# KiCad board Eclipse65.kicad_pcb (continued)
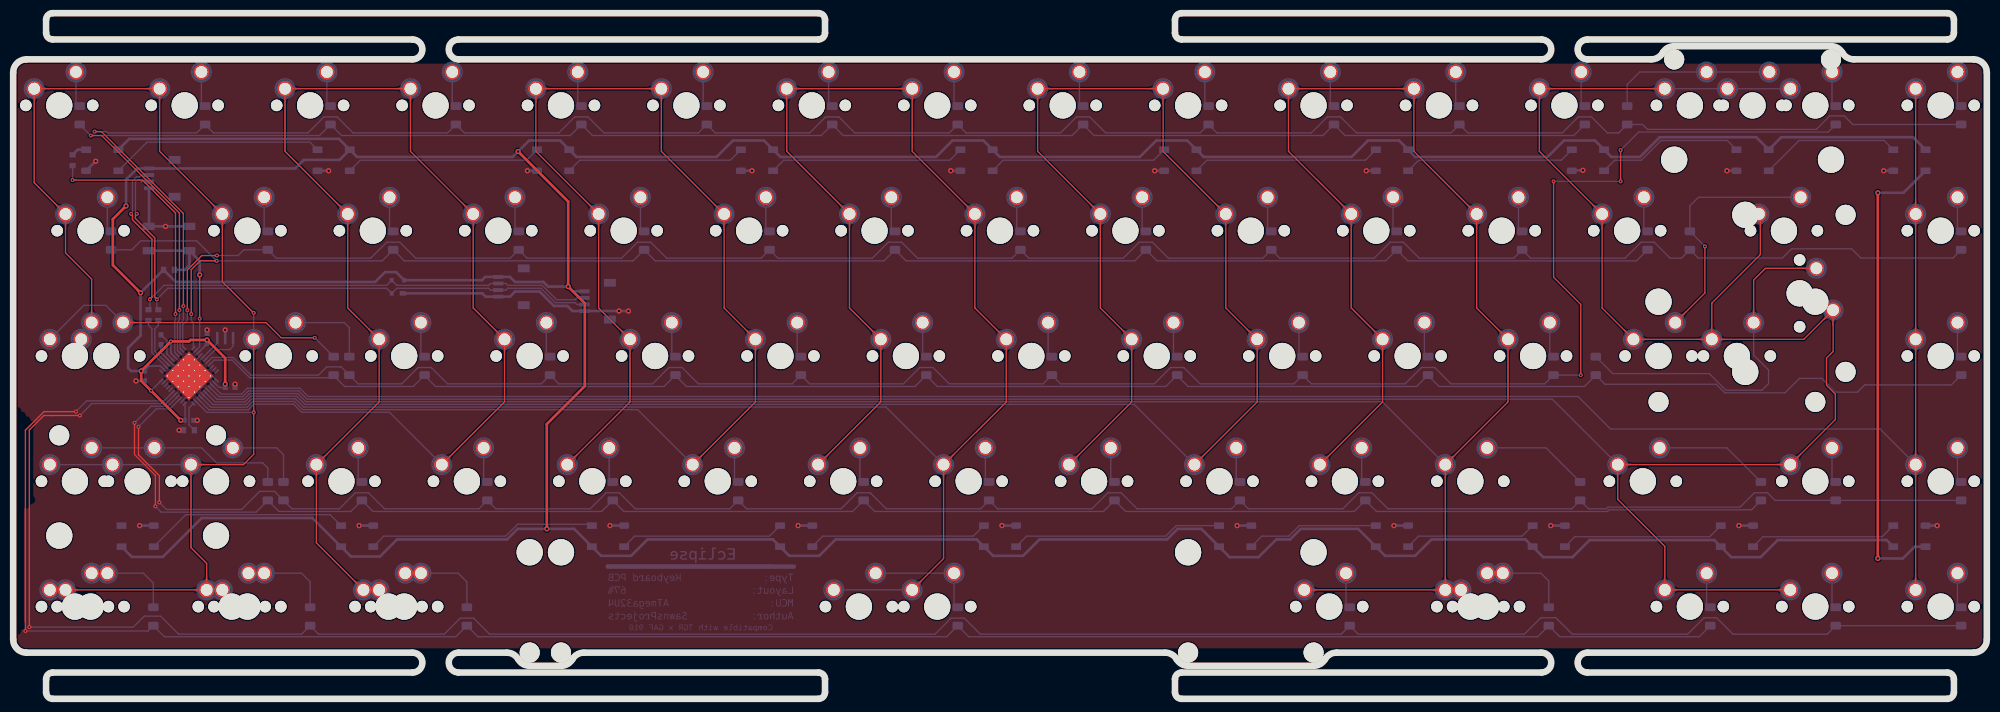
[diagram p0: board, top side]
## Copper pours and planes (outline as drawn; the poured copper is in the pictures) (continued)
R4 on Bottom: 239.59,48.31 240.56,48.66 240.57,49.44 239.8,49.42 239.45,48.45
R4 on Bottom: 214.12,48.31 215.08,48.66 215.1,49.44 214.32,49.42 213.97,48.45
R4 on Bottom: 176.02,48.31 176.98,48.66 177,49.44 176.22,49.42 175.87,48.45
R4 on Bottom: 137.92,48.31 138.88,48.66 138.9,49.44 138.12,49.42 137.77,48.45
R4 on Bottom: 177.67,48.4 177.37,49.37 176.59,49.46 176.54,48.68 177.53,48.26
R4 on Bottom: 139.57,48.4 139.27,49.37 138.49,49.46 138.44,48.68 139.43,48.26
R4 on Bottom: 101.47,48.4 101.17,49.37 100.39,49.46 100.34,48.68 101.33,48.26
R4 on Bottom: 99.82,48.31 100.78,48.66 100.8,49.44 100.02,49.42 99.67,48.45
R4 on Bottom: 61.72,48.31 62.68,48.66 62.7,49.44 61.92,49.42 61.57,48.45
R4 on Bottom: 47.62,48.72 48.67,48.62 48.89,49.43 48.12,49.45 47.62,48.92
R4 on Bottom: 49.56,48.4 49.25,49.37 48.48,49.46 48.43,48.68 49.42,48.26
R4 on Bottom: 63.37,48.4 63.07,49.37 62.29,49.46 62.24,48.68 63.23,48.26
R4 on Bottom: 215.77,48.4 215.47,49.37 214.69,49.46 214.64,48.68 215.63,48.26
R5 on Bottom: 233.17,48.31 234.13,48.66 234.15,49.44 233.37,49.42 233.02,48.45
R5 on Bottom: 195.07,48.31 196.03,48.66 196.05,49.44 195.27,49.42 194.92,48.45
R5 on Bottom: 156.97,48.31 157.93,48.66 157.95,49.44 157.17,49.42 156.82,48.45
R5 on Bottom: 196.75,48.45 196.4,49.42 195.62,49.44 195.64,48.66 196.61,48.31
R5 on Bottom: 158.65,48.45 158.3,49.42 157.52,49.44 157.54,48.66 158.51,48.31
R5 on Bottom: 120.55,48.45 120.2,49.42 119.42,49.44 119.44,48.66 120.41,48.31
R5 on Bottom: 118.87,48.31 119.83,48.66 119.85,49.44 119.07,49.42 118.72,48.45
R5 on Bottom: 82.45,48.45 82.1,49.42 81.32,49.44 81.34,48.66 82.31,48.31
R5 on Bottom: 80.77,48.31 81.73,48.66 81.75,49.44 80.97,49.42 80.62,48.45
R5 on Bottom: 51.97,48.45 51.62,49.42 50.84,49.44 50.86,48.66 51.82,48.31
R5 on Bottom: 50.14,50 50.49,49.03 51.27,49.01 51.25,49.79 50.28,50.14
R5 on Bottom: 235.13,49.32 234.2,49.76 233.64,49.22 234.2,48.68 235.13,49.12
R5 on Bottom: 276.03,86.41 277,86.76 277.01,87.54 276.23,87.52 275.89,86.55
R6 on Bottom: 37.9,29.26 38.87,29.61 38.89,30.39 38.11,30.37 37.76,29.4
R6 on Bottom: 264.67,29.26 265.64,29.61 265.66,30.39 264.88,30.37 264.53,29.4
R6 on Bottom: 206.27,29.4 205.93,30.37 205.15,30.39 205.16,29.61 206.13,29.26
R6 on Bottom: 204.59,29.26 205.56,29.61 205.57,30.39 204.79,30.37 204.45,29.4
R6 on Bottom: 166.49,29.26 167.46,29.61 167.47,30.39 166.69,30.37 166.35,29.4
R6 on Bottom: 128.39,29.26 129.36,29.61 129.37,30.39 128.59,30.37 128.25,29.4
R6 on Bottom: 168.17,29.4 167.83,30.37 167.05,30.39 167.06,29.61 168.03,29.26
R6 on Bottom: 130.07,29.4 129.73,30.37 128.95,30.39 128.96,29.61 129.93,29.26
R6 on Bottom: 91.97,29.4 91.63,30.37 90.85,30.39 90.86,29.61 91.83,29.26
R6 on Bottom: 90.29,29.26 91.26,29.61 91.27,30.39 90.49,30.37 90.15,29.4
R6 on Bottom: 52.19,29.26 53.16,29.61 53.17,30.39 52.39,30.37 52.05,29.4
R6 on Bottom: 39.59,29.4 39.24,30.37 38.46,30.39 38.48,29.61 39.44,29.26
R6 on Bottom: 53.87,29.4 53.53,30.37 52.75,30.39 52.76,29.61 53.73,29.26
R7 on Bottom: 277.99,30.27 277.06,30.71 276.5,30.17 277.06,29.63 277.99,30.07
R7 on Bottom: 294.66,30.07 295.59,29.63 296.15,30.17 295.59,30.71 294.66,30.27
R7 on Bottom: 40.14,30.95 40.49,29.98 41.27,29.96 41.25,30.74 40.28,31.09
R7 on Bottom: 275.61,30.07 276.54,29.63 277.1,30.17 276.54,30.71 275.61,30.27
R7 on Bottom: 238.89,29.4 238.55,30.37 237.77,30.39 237.78,29.61 238.75,29.26
R7 on Bottom: 237.21,29.26 238.18,29.61 238.19,30.39 237.41,30.37 237.07,29.4
R7 on Bottom: 187.22,29.4 186.88,30.37 186.1,30.39 186.11,29.61 187.08,29.26
R7 on Bottom: 149.12,29.4 148.78,30.37 148,30.39 148.01,29.61 148.98,29.26
R7 on Bottom: 111.02,29.4 110.68,30.37 109.9,30.39 109.91,29.61 110.88,29.26
R7 on Bottom: 185.54,29.26 186.51,29.61 186.52,30.39 185.74,30.37 185.4,29.4
R7 on Bottom: 147.44,29.26 148.41,29.61 148.42,30.39 147.64,30.37 147.3,29.4
R7 on Bottom: 109.34,29.26 110.31,29.61 110.32,30.39 109.54,30.37 109.2,29.4
R7 on Bottom: 72.92,29.4 72.58,30.37 71.8,30.39 71.81,29.61 72.78,29.26
R7 on Bottom: 71.24,29.26 72.21,29.61 72.22,30.39 71.44,30.37 71.1,29.4
R7 on Bottom: 41.97,29.4 41.62,30.37 40.84,30.39 40.86,29.61 41.83,29.26
R8 on Bottom: 144.36,10.35 144.02,11.32 143.24,11.34 143.25,10.56 144.22,10.21
R8 on Bottom: 232.45,10.21 233.42,10.56 233.43,11.34 232.65,11.32 232.31,10.35
R8 on Bottom: 234.13,10.35 233.79,11.32 233.01,11.34 233.02,10.56 233.99,10.21
R8 on Bottom: 256.98,10.21 257.95,10.56 257.96,11.34 257.18,11.32 256.84,10.35
R8 on Bottom: 20.52,10.21 21.48,10.56 21.5,11.34 20.72,11.32 20.38,10.35
R8 on Bottom: 69.82,10.35 69.48,11.32 68.7,11.34 68.72,10.56 69.68,10.21
R8 on Bottom: 142.68,10.21 143.65,10.56 143.66,11.34 142.88,11.32 142.54,10.35
R8 on Bottom: 68.14,10.21 69.11,10.56 69.12,11.34 68.35,11.32 68,10.35
R8 on Bottom: 22.2,10.35 21.85,11.32 21.08,11.34 21.09,10.56 22.06,10.21
R9 on Bottom: 203.89,10.35 203.55,11.32 202.77,11.34 202.78,10.56 203.75,10.21
R9 on Bottom: 276.03,10.21 277,10.56 277.01,11.34 276.23,11.32 275.89,10.35
R9 on Bottom: 277.99,11.22 277.06,11.66 276.5,11.12 277.06,10.58 277.99,11.02
R9 on Bottom: 294.66,11.02 295.59,10.58 296.15,11.12 295.59,11.66 294.66,11.22
R9 on Bottom: 46.01,10.35 45.67,11.32 44.89,11.34 44.9,10.56 45.87,10.21
R9 on Bottom: 202.21,10.21 203.18,10.56 203.19,11.34 202.41,11.32 202.07,10.35
R9 on Bottom: 44.33,10.21 45.3,10.56 45.31,11.34 44.53,11.32 44.19,10.35
RGB on Bottom: 10.09,83.29 10.86,83.04 11.33,83.49 10.86,83.94 10.09,83.69
Net-(D1-Pad2) on Bottom: 9.64,92.11 9.64,92.25 9.65,92.38 9.66,92.5 9.68,92.61 9.7,92.71 9.73,92.81 9.76,92.9 9.79,92.98 9.83,93.06 9.86,93.14 9.91,93.21 9.95,93.28 10,93.34 10.05,93.4 10.1,93.47 10.16,93.53 10.45,93.83 10.51,93.9 10.57,93.97 10.63,94.05 10.69,94.13 10.75,94.21 10.81,94.3 10.87,94.4 10.92,94.5 10.98,94.61 9.54,96.1 8.1,94.61 8.16,94.5 8.21,94.4 8.27,94.3 8.33,94.21 8.39,94.13 8.45,94.05 8.51,93.97 8.57,93.9 8.63,93.83 8.92,93.53 8.98,93.47 9.03,93.4 9.08,93.34 9.13,93.28 9.17,93.21 9.22,93.14 9.25,93.06 9.29,92.98 9.32,92.9 9.35,92.81 9.38,92.71 9.4,92.61 9.42,92.5 9.43,92.38 9.44,92.25 9.44,92.11
Net-(D1-Pad2) on Bottom: 9.64,92.91 9.64,93.02 9.65,93.11 9.66,93.2 9.67,93.28 9.68,93.36 9.7,93.43 9.72,93.5 9.75,93.56 9.77,93.62 9.8,93.68 9.83,93.73 9.87,93.78 9.9,93.83 9.94,93.88 10.32,94.31 10.36,94.36 10.41,94.42 10.45,94.49 10.49,94.55 10.54,94.62 10.58,94.7 10.62,94.78 9.54,95.9 8.46,94.78 8.5,94.7 8.54,94.62 8.59,94.55 8.63,94.49 8.67,94.42 8.72,94.36 8.76,94.31 9.14,93.88 9.18,93.83 9.21,93.78 9.25,93.73 9.28,93.68 9.31,93.62 9.33,93.56 9.36,93.5 9.38,93.43 9.4,93.36 9.41,93.28 9.42,93.2 9.43,93.11 9.44,93.02 9.44,92.91
Net-(D2-Pad2) on Bottom: 28.69,92.11 28.69,92.25 28.7,92.38 28.71,92.5 28.73,92.61 28.75,92.71 28.78,92.81 28.81,92.9 28.84,92.98 28.88,93.06 28.91,93.14 28.96,93.21 29,93.28 29.05,93.34 29.1,93.4 29.15,93.47 29.21,93.53 29.5,93.83 29.56,93.9 29.62,93.97 29.68,94.05 29.74,94.13 29.8,94.21 29.86,94.3 29.92,94.4 29.97,94.5 30.03,94.61 28.59,96.1 27.15,94.61 27.21,94.5 27.26,94.4 27.32,94.3 27.38,94.21 27.44,94.13 27.5,94.05 27.56,93.97 27.62,93.9 27.68,93.83 27.97,93.53 28.03,93.47 28.08,93.4 28.13,93.34 28.18,93.28 28.22,93.21 28.27,93.14 28.3,93.06 28.34,92.98 28.37,92.9 28.4,92.81 28.43,92.71 28.45,92.61 28.47,92.5 28.48,92.38 28.49,92.25 28.49,92.11
Net-(D2-Pad2) on Bottom: 28.69,92.91 28.69,93.02 28.7,93.11 28.71,93.2 28.72,93.28 28.73,93.36 28.75,93.43 28.77,93.5 28.8,93.56 28.82,93.62 28.85,93.68 28.88,93.73 28.92,93.78 28.95,93.83 28.99,93.88 29.37,94.31 29.41,94.36 29.46,94.42 29.5,94.49 29.54,94.55 29.59,94.62 29.63,94.7 29.67,94.78 28.59,95.9 27.51,94.78 27.55,94.7 27.59,94.62 27.64,94.55 27.68,94.49 27.72,94.42 27.77,94.36 27.81,94.31 28.19,93.88 28.23,93.83 28.26,93.78 28.3,93.73 28.33,93.68 28.36,93.62 28.38,93.56 28.41,93.5 28.43,93.43 28.45,93.36 28.46,93.28 28.47,93.2 28.48,93.11 28.49,93.02 28.49,92.91
Net-(D3-Pad2) on Bottom: 47.74,92.11 47.74,92.25 47.75,92.38 47.76,92.5 47.78,92.61 47.8,92.71 47.83,92.81 47.86,92.9 47.89,92.98 47.93,93.06 47.96,93.14 48.01,93.21 48.05,93.28 48.1,93.34 48.15,93.4 48.2,93.47 48.26,93.53 48.55,93.83 48.61,93.9 48.67,93.97 48.73,94.05 48.79,94.13 48.85,94.21 48.91,94.3 48.97,94.4 49.02,94.5 49.08,94.61 47.64,96.1 46.2,94.61 46.26,94.5 46.31,94.4 46.37,94.3 46.43,94.21 46.49,94.13 46.55,94.05 46.61,93.97 46.67,93.9 46.73,93.83 47.02,93.53 47.08,93.47 47.13,93.4 47.18,93.34 47.23,93.28 47.27,93.21 47.32,93.14 47.35,93.06 47.39,92.98 47.42,92.9 47.45,92.81 47.48,92.71 47.5,92.61 47.52,92.5 47.53,92.38 47.54,92.25 47.54,92.11
Net-(D3-Pad2) on Bottom: 47.74,92.91 47.74,93.02 47.75,93.11 47.76,93.2 47.77,93.28 47.78,93.36 47.8,93.43 47.82,93.5 47.85,93.56 47.87,93.62 47.9,93.68 47.93,93.73 47.97,93.78 48,93.83 48.04,93.88 48.42,94.31 48.46,94.36 48.51,94.42 48.55,94.49 48.59,94.55 48.64,94.62 48.68,94.7 48.72,94.78 47.64,95.9 46.56,94.78 46.6,94.7 46.64,94.62 46.69,94.55 46.73,94.49 46.77,94.42 46.82,94.36 46.86,94.31 47.24,93.88 47.28,93.83 47.31,93.78 47.35,93.73 47.38,93.68 47.41,93.62 47.43,93.56 47.46,93.5 47.48,93.43 47.5,93.36 47.51,93.28 47.52,93.2 47.53,93.11 47.54,93.02 47.54,92.91
Net-(D4-Pad2) on Bottom: 66.79,92.11 66.79,92.25 66.8,92.38 66.81,92.5 66.83,92.61 66.85,92.71 66.88,92.81 66.91,92.9 66.94,92.98 66.98,93.06 67.01,93.14 67.06,93.21 67.1,93.28 67.15,93.34 67.2,93.4 67.25,93.47 67.31,93.53 67.6,93.83 67.66,93.9 67.72,93.97 67.78,94.05 67.84,94.13 67.9,94.21 67.96,94.3 68.02,94.4 68.07,94.5 68.13,94.61 66.69,96.1 65.25,94.61 65.31,94.5 65.36,94.4 65.42,94.3 65.48,94.21 65.54,94.13 65.6,94.05 65.66,93.97 65.72,93.9 65.78,93.83 66.07,93.53 66.13,93.47 66.18,93.4 66.23,93.34 66.28,93.28 66.32,93.21 66.37,93.14 66.4,93.06 66.44,92.98 66.47,92.9 66.5,92.81 66.53,92.71 66.55,92.61 66.57,92.5 66.58,92.38 66.59,92.25 66.59,92.11
Net-(D4-Pad2) on Bottom: 66.79,92.91 66.79,93.02 66.8,93.11 66.81,93.2 66.82,93.28 66.83,93.36 66.85,93.43 66.87,93.5 66.9,93.56 66.92,93.62 66.95,93.68 66.98,93.73 67.02,93.78 67.05,93.83 67.09,93.88 67.47,94.31 67.51,94.36 67.56,94.42 67.6,94.49 67.64,94.55 67.69,94.62 67.73,94.7 67.77,94.78 66.69,95.9 65.61,94.78 65.65,94.7 65.69,94.62 65.74,94.55 65.78,94.49 65.82,94.42 65.87,94.36 65.91,94.31 66.29,93.88 66.33,93.83 66.36,93.78 66.4,93.73 66.43,93.68 66.46,93.62 66.48,93.56 66.51,93.5 66.53,93.43 66.55,93.36 66.56,93.28 66.57,93.2 66.58,93.11 66.59,93.02 66.59,92.91
Net-(D5-Pad2) on Bottom: 85.84,92.11 85.84,92.25 85.85,92.38 85.86,92.5 85.88,92.61 85.9,92.71 85.93,92.81 85.96,92.9 85.99,92.98 86.03,93.06 86.06,93.14 86.11,93.21 86.15,93.28 86.2,93.34 86.25,93.4 86.3,93.47 86.36,93.53 86.65,93.83 86.71,93.9 86.77,93.97 86.83,94.05 86.89,94.13 86.95,94.21 87.01,94.3 87.07,94.4 87.12,94.5 87.18,94.61 85.74,96.1 84.3,94.61 84.36,94.5 84.41,94.4 84.47,94.3 84.53,94.21 84.59,94.13 84.65,94.05 84.71,93.97 84.77,93.9 84.83,93.83 85.12,93.53 85.18,93.47 85.23,93.4 85.28,93.34 85.33,93.28 85.37,93.21 85.42,93.14 85.45,93.06 85.49,92.98 85.52,92.9 85.55,92.81 85.58,92.71 85.6,92.61 85.62,92.5 85.63,92.38 85.64,92.25 85.64,92.11
Net-(D5-Pad2) on Bottom: 85.84,92.91 85.84,93.02 85.85,93.11 85.86,93.2 85.87,93.28 85.88,93.36 85.9,93.43 85.92,93.5 85.95,93.56 85.97,93.62 86,93.68 86.03,93.73 86.07,93.78 86.1,93.83 86.14,93.88 86.52,94.31 86.56,94.36 86.61,94.42 86.65,94.49 86.69,94.55 86.74,94.62 86.78,94.7 86.82,94.78 85.74,95.9 84.66,94.78 84.7,94.7 84.74,94.62 84.79,94.55 84.83,94.49 84.87,94.42 84.92,94.36 84.96,94.31 85.34,93.88 85.38,93.83 85.41,93.78 85.45,93.73 85.48,93.68 85.51,93.62 85.53,93.56 85.56,93.5 85.58,93.43 85.6,93.36 85.61,93.28 85.62,93.2 85.63,93.11 85.64,93.02 85.64,92.91
Net-(D6-Pad2) on Bottom: 104.89,92.11 104.89,92.25 104.9,92.38 104.91,92.5 104.93,92.61 104.95,92.71 104.98,92.81 105.01,92.9 105.04,92.98 105.08,93.06 105.11,93.14 105.16,93.21 105.2,93.28 105.25,93.34 105.3,93.4 105.35,93.47 105.41,93.53 105.7,93.83 105.76,93.9 105.82,93.97 105.88,94.05 105.94,94.13 106,94.21 106.06,94.3 106.12,94.4 106.17,94.5 106.23,94.61 104.79,96.1 103.35,94.61 103.41,94.5 103.46,94.4 103.52,94.3 103.58,94.21 103.64,94.13 103.7,94.05 103.76,93.97 103.82,93.9 103.88,93.83 104.17,93.53 104.23,93.47 104.28,93.4 104.33,93.34 104.38,93.28 104.42,93.21 104.47,93.14 104.5,93.06 104.54,92.98 104.57,92.9 104.6,92.81 104.63,92.71 104.65,92.61 104.67,92.5 104.68,92.38 104.69,92.25 104.69,92.11
Net-(D6-Pad2) on Bottom: 104.89,92.91 104.89,93.02 104.9,93.11 104.91,93.2 104.92,93.28 104.93,93.36 104.95,93.43 104.97,93.5 105,93.56 105.02,93.62 105.05,93.68 105.08,93.73 105.12,93.78 105.15,93.83 105.19,93.88 105.57,94.31 105.61,94.36 105.66,94.42 105.7,94.49 105.74,94.55 105.79,94.62 105.83,94.7 105.87,94.78 104.79,95.9 103.71,94.78 103.75,94.7 103.79,94.62 103.84,94.55 103.88,94.49 103.92,94.42 103.97,94.36 104.01,94.31 104.39,93.88 104.43,93.83 104.46,93.78 104.5,93.73 104.53,93.68 104.56,93.62 104.58,93.56 104.61,93.5 104.63,93.43 104.65,93.36 104.66,93.28 104.67,93.2 104.68,93.11 104.69,93.02 104.69,92.91
Net-(D7-Pad2) on Bottom: 123.94,92.11 123.94,92.25 123.95,92.38 123.96,92.5 123.98,92.61 124,92.71 124.03,92.81 124.06,92.9 124.09,92.98 124.13,93.06 124.16,93.14 124.21,93.21 124.25,93.28 124.3,93.34 124.35,93.4 124.4,93.47 124.46,93.53 124.75,93.83 124.81,93.9 124.87,93.97 124.93,94.05 124.99,94.13 125.05,94.21 125.11,94.3 125.17,94.4 125.22,94.5 125.28,94.61 123.84,96.1 122.4,94.61 122.46,94.5 122.51,94.4 122.57,94.3 122.63,94.21 122.69,94.13 122.75,94.05 122.81,93.97 122.87,93.9 122.93,93.83 123.22,93.53 123.28,93.47 123.33,93.4 123.38,93.34 123.43,93.28 123.47,93.21 123.52,93.14 123.55,93.06 123.59,92.98 123.62,92.9 123.65,92.81 123.68,92.71 123.7,92.61 123.72,92.5 123.73,92.38 123.74,92.25 123.74,92.11
Net-(D7-Pad2) on Bottom: 123.94,92.91 123.94,93.02 123.95,93.11 123.96,93.2 123.97,93.28 123.98,93.36 124,93.43 124.02,93.5 124.05,93.56 124.07,93.62 124.1,93.68 124.13,93.73 124.17,93.78 124.2,93.83 124.24,93.88 124.62,94.31 124.66,94.36 124.71,94.42 124.75,94.49 124.79,94.55 124.84,94.62 124.88,94.7 124.92,94.78 123.84,95.9 122.76,94.78 122.8,94.7 122.84,94.62 122.89,94.55 122.93,94.49 122.97,94.42 123.02,94.36 123.06,94.31 123.44,93.88 123.48,93.83 123.51,93.78 123.55,93.73 123.58,93.68 123.61,93.62 123.63,93.56 123.66,93.5 123.68,93.43 123.7,93.36 123.71,93.28 123.72,93.2 123.73,93.11 123.74,93.02 123.74,92.91
Net-(D8-Pad2) on Bottom: 142.99,92.11 142.99,92.25 143,92.38 143.01,92.5 143.03,92.61 143.05,92.71 143.08,92.81 143.11,92.9 143.14,92.98 143.18,93.06 143.21,93.14 143.26,93.21 143.3,93.28 143.35,93.34 143.4,93.4 143.45,93.47 143.51,93.53 143.8,93.83 143.86,93.9 143.92,93.97 143.98,94.05 144.04,94.13 144.1,94.21 144.16,94.3 144.22,94.4 144.27,94.5 144.33,94.61 142.89,96.1 141.45,94.61 141.51,94.5 141.56,94.4 141.62,94.3 141.68,94.21 141.74,94.13 141.8,94.05 141.86,93.97 141.92,93.9 141.98,93.83 142.27,93.53 142.33,93.47 142.38,93.4 142.43,93.34 142.48,93.28 142.52,93.21 142.57,93.14 142.6,93.06 142.64,92.98 142.67,92.9 142.7,92.81 142.73,92.71 142.75,92.61 142.77,92.5 142.78,92.38 142.79,92.25 142.79,92.11
Net-(D8-Pad2) on Bottom: 142.99,92.91 142.99,93.02 143,93.11 143.01,93.2 143.02,93.28 143.03,93.36 143.05,93.43 143.07,93.5 143.1,93.56 143.12,93.62 143.15,93.68 143.18,93.73 143.22,93.78 143.25,93.83 143.29,93.88 143.67,94.31 143.71,94.36 143.76,94.42 143.8,94.49 143.84,94.55 143.89,94.62 143.93,94.7 143.97,94.78 142.89,95.9 141.81,94.78 141.85,94.7 141.89,94.62 141.94,94.55 141.98,94.49 142.02,94.42 142.07,94.36 142.11,94.31 142.49,93.88 142.53,93.83 142.56,93.78 142.6,93.73 142.63,93.68 142.66,93.62 142.68,93.56 142.71,93.5 142.73,93.43 142.75,93.36 142.76,93.28 142.77,93.2 142.78,93.11 142.79,93.02 142.79,92.91
Net-(D9-Pad2) on Bottom: 162.04,92.11 162.04,92.25 162.05,92.38 162.06,92.5 162.08,92.61 162.1,92.71 162.13,92.81 162.16,92.9 162.19,92.98 162.23,93.06 162.26,93.14 162.31,93.21 162.35,93.28 162.4,93.34 162.45,93.4 162.5,93.47 162.56,93.53 162.85,93.83 162.91,93.9 162.97,93.97 163.03,94.05 163.09,94.13 163.15,94.21 163.21,94.3 163.27,94.4 163.32,94.5 163.38,94.61 161.94,96.1 160.5,94.61 160.56,94.5 160.61,94.4 160.67,94.3 160.73,94.21 160.79,94.13 160.85,94.05 160.91,93.97 160.97,93.9 161.03,93.83 161.32,93.53 161.38,93.47 161.43,93.4 161.48,93.34 161.53,93.28 161.57,93.21 161.62,93.14 161.65,93.06 161.69,92.98 161.72,92.9 161.75,92.81 161.78,92.71 161.8,92.61 161.82,92.5 161.83,92.38 161.84,92.25 161.84,92.11
Net-(D9-Pad2) on Bottom: 162.04,92.91 162.04,93.02 162.05,93.11 162.06,93.2 162.07,93.28 162.08,93.36 162.1,93.43 162.12,93.5 162.15,93.56 162.17,93.62 162.2,93.68 162.23,93.73 162.27,93.78 162.3,93.83 162.34,93.88 162.72,94.31 162.76,94.36 162.81,94.42 162.85,94.49 162.89,94.55 162.94,94.62 162.98,94.7 163.02,94.78 161.94,95.9 160.86,94.78 160.9,94.7 160.94,94.62 160.99,94.55 161.03,94.49 161.07,94.42 161.12,94.36 161.16,94.31 161.54,93.88 161.58,93.83 161.61,93.78 161.65,93.73 161.68,93.68 161.71,93.62 161.73,93.56 161.76,93.5 161.78,93.43 161.8,93.36 161.81,93.28 161.82,93.2 161.83,93.11 161.84,93.02 161.84,92.91
Net-(D10-Pad2) on Bottom: 181.09,92.11 181.09,92.25 181.1,92.38 181.11,92.5 181.13,92.61 181.15,92.71 181.18,92.81 181.21,92.9 181.24,92.98 181.28,93.06 181.31,93.14 181.36,93.21 181.4,93.28 181.45,93.34 181.5,93.4 181.55,93.47 181.61,93.53 181.9,93.83 181.96,93.9 182.02,93.97 182.08,94.05 182.14,94.13 182.2,94.21 182.26,94.3 182.32,94.4 182.37,94.5 182.43,94.61 180.99,96.1 179.55,94.61 179.61,94.5 179.66,94.4 179.72,94.3 179.78,94.21 179.84,94.13 179.9,94.05 179.96,93.97 180.02,93.9 180.08,93.83 180.37,93.53 180.43,93.47 180.48,93.4 180.53,93.34 180.58,93.28 180.62,93.21 180.67,93.14 180.7,93.06 180.74,92.98 180.77,92.9 180.8,92.81 180.83,92.71 180.85,92.61 180.87,92.5 180.88,92.38 180.89,92.25 180.89,92.11
Net-(D10-Pad2) on Bottom: 181.09,92.91 181.09,93.02 181.1,93.11 181.11,93.2 181.12,93.28 181.13,93.36 181.15,93.43 181.17,93.5 181.2,93.56 181.22,93.62 181.25,93.68 181.28,93.73 181.32,93.78 181.35,93.83 181.39,93.88 181.77,94.31 181.81,94.36 181.86,94.42 181.9,94.49 181.94,94.55 181.99,94.62 182.03,94.7 182.07,94.78 180.99,95.9 179.91,94.78 179.95,94.7 179.99,94.62 180.04,94.55 180.08,94.49 180.12,94.42 180.17,94.36 180.21,94.31 180.59,93.88 180.63,93.83 180.66,93.78 180.7,93.73 180.73,93.68 180.76,93.62 180.78,93.56 180.81,93.5 180.83,93.43 180.85,93.36 180.86,93.28 180.87,93.2 180.88,93.11 180.89,93.02 180.89,92.91
Net-(D11-Pad2) on Bottom: 200.14,92.11 200.14,92.25 200.15,92.38 200.16,92.5 200.18,92.61 200.2,92.71 200.23,92.81 200.26,92.9 200.29,92.98 200.33,93.06 200.36,93.14 200.41,93.21 200.45,93.28 200.5,93.34 200.55,93.4 200.6,93.47 200.66,93.53 200.95,93.83 201.01,93.9 201.07,93.97 201.13,94.05 201.19,94.13 201.25,94.21 201.31,94.3 201.37,94.4 201.42,94.5 201.48,94.61 200.04,96.1 198.6,94.61 198.66,94.5 198.71,94.4 198.77,94.3 198.83,94.21 198.89,94.13 198.95,94.05 199.01,93.97 199.07,93.9 199.13,93.83 199.42,93.53 199.48,93.47 199.53,93.4 199.58,93.34 199.63,93.28 199.67,93.21 199.72,93.14 199.75,93.06 199.79,92.98 199.82,92.9 199.85,92.81 199.88,92.71 199.9,92.61 199.92,92.5 199.93,92.38 199.94,92.25 199.94,92.11
Net-(D11-Pad2) on Bottom: 200.14,92.91 200.14,93.02 200.15,93.11 200.16,93.2 200.17,93.28 200.18,93.36 200.2,93.43 200.22,93.5 200.25,93.56 200.27,93.62 200.3,93.68 200.33,93.73 200.37,93.78 200.4,93.83 200.44,93.88 200.82,94.31 200.86,94.36 200.91,94.42 200.95,94.49 200.99,94.55 201.04,94.62 201.08,94.7 201.12,94.78 200.04,95.9 198.96,94.78 199,94.7 199.04,94.62 199.09,94.55 199.13,94.49 199.17,94.42 199.22,94.36 199.26,94.31 199.64,93.88 199.68,93.83 199.71,93.78 199.75,93.73 199.78,93.68 199.81,93.62 199.83,93.56 199.86,93.5 199.88,93.43 199.9,93.36 199.91,93.28 199.92,93.2 199.93,93.11 199.94,93.02 199.94,92.91
Net-(D12-Pad2) on Bottom: 219.19,92.11 219.19,92.25 219.2,92.38 219.21,92.5 219.23,92.61 219.25,92.71 219.28,92.81 219.31,92.9 219.34,92.98 219.38,93.06 219.41,93.14 219.46,93.21 219.5,93.28 219.55,93.34 219.6,93.4 219.65,93.47 219.71,93.53 220,93.83 220.06,93.9 220.12,93.97 220.18,94.05 220.24,94.13 220.3,94.21 220.36,94.3 220.42,94.4 220.47,94.5 220.53,94.61 219.09,96.1 217.65,94.61 217.71,94.5 217.76,94.4 217.82,94.3 217.88,94.21 217.94,94.13 218,94.05 218.06,93.97 218.12,93.9 218.18,93.83 218.47,93.53 218.53,93.47 218.58,93.4 218.63,93.34 218.68,93.28 218.72,93.21 218.77,93.14 218.8,93.06 218.84,92.98 218.87,92.9 218.9,92.81 218.93,92.71 218.95,92.61 218.97,92.5 218.98,92.38 218.99,92.25 218.99,92.11
Net-(D12-Pad2) on Bottom: 219.19,92.91 219.19,93.02 219.2,93.11 219.21,93.2 219.22,93.28 219.23,93.36 219.25,93.43 219.27,93.5 219.3,93.56 219.32,93.62 219.35,93.68 219.38,93.73 219.42,93.78 219.45,93.83 219.49,93.88 219.87,94.31 219.91,94.36 219.96,94.42 220,94.49 220.04,94.55 220.09,94.62 220.13,94.7 220.17,94.78 219.09,95.9 218.01,94.78 218.05,94.7 218.09,94.62 218.14,94.55 218.18,94.49 218.22,94.42 218.27,94.36 218.31,94.31 218.69,93.88 218.73,93.83 218.76,93.78 218.8,93.73 218.83,93.68 218.86,93.62 218.88,93.56 218.91,93.5 218.93,93.43 218.95,93.36 218.96,93.28 218.97,93.2 218.98,93.11 218.99,93.02 218.99,92.91
Net-(D13-Pad2) on Bottom: 238.24,92.11 238.24,92.25 238.25,92.38 238.26,92.5 238.28,92.61 238.3,92.71 238.33,92.81 238.36,92.9 238.39,92.98 238.43,93.06 238.46,93.14 238.51,93.21 238.55,93.28 238.6,93.34 238.65,93.4 238.7,93.47 238.76,93.53 239.05,93.83 239.11,93.9 239.17,93.97 239.23,94.05 239.29,94.13 239.35,94.21 239.41,94.3 239.47,94.4 239.52,94.5 239.58,94.61 238.14,96.1 236.7,94.61 236.76,94.5 236.81,94.4 236.87,94.3 236.93,94.21 236.99,94.13 237.05,94.05 237.11,93.97 237.17,93.9 237.23,93.83 237.52,93.53 237.58,93.47 237.63,93.4 237.68,93.34 237.73,93.28 237.77,93.21 237.82,93.14 237.85,93.06 237.89,92.98 237.92,92.9 237.95,92.81 237.98,92.71 238,92.61 238.02,92.5 238.03,92.38 238.04,92.25 238.04,92.11
Net-(D13-Pad2) on Bottom: 238.24,92.91 238.24,93.02 238.25,93.11 238.26,93.2 238.27,93.28 238.28,93.36 238.3,93.43 238.32,93.5 238.35,93.56 238.37,93.62 238.4,93.68 238.43,93.73 238.47,93.78 238.5,93.83 238.54,93.88 238.92,94.31 238.96,94.36 239.01,94.42 239.05,94.49 239.09,94.55 239.14,94.62 239.18,94.7 239.22,94.78 238.14,95.9 237.06,94.78 237.1,94.7 237.14,94.62 237.19,94.55 237.23,94.49 237.27,94.42 237.32,94.36 237.36,94.31 237.74,93.88 237.78,93.83 237.81,93.78 237.85,93.73 237.88,93.68 237.91,93.62 237.93,93.56 237.96,93.5 237.98,93.43 238,93.36 238.01,93.28 238.02,93.2 238.03,93.11 238.04,93.02 238.04,92.91
Net-(D14-Pad2) on Bottom: 254,95.2 254.14,95.2 254.26,95.19 254.38,95.18 254.49,95.17 254.6,95.14 254.69,95.12 254.78,95.09 254.87,95.06 254.95,95.02 255.02,94.98 255.09,94.94 255.16,94.89 255.23,94.84 255.29,94.79 255.35,94.74 255.41,94.69 255.72,94.4 255.79,94.34 255.86,94.28 255.93,94.22 256.01,94.16 256.1,94.1 256.18,94.04 256.28,93.98 256.38,93.92 256.49,93.86 257.99,95.3 256.49,96.74 256.38,96.69 256.28,96.63 256.18,96.57 256.1,96.51 256.01,96.45 255.93,96.39 255.86,96.33 255.79,96.27 255.72,96.21 255.41,95.92 255.35,95.87 255.29,95.82 255.23,95.77 255.16,95.72 255.09,95.67 255.02,95.63 254.95,95.59 254.87,95.55 254.78,95.52 254.69,95.49 254.6,95.47 254.49,95.44 254.38,95.43 254.26,95.42 254.14,95.41 254,95.4
Net-(D14-Pad2) on Bottom: 254.8,95.2 254.9,95.2 255,95.2 255.09,95.19 255.17,95.18 255.25,95.16 255.32,95.14 255.39,95.12 255.45,95.1 255.51,95.07 255.56,95.04 255.62,95.01 255.67,94.98 255.72,94.94 255.77,94.91 256.19,94.53 256.25,94.48 256.31,94.44 256.37,94.4 256.44,94.35 256.51,94.31 256.59,94.27 256.67,94.22 257.79,95.3 256.67,96.38 256.59,96.34 256.51,96.3 256.44,96.26 256.37,96.21 256.31,96.17 256.25,96.13 256.19,96.08 255.77,95.7 255.72,95.67 255.67,95.63 255.62,95.6 255.56,95.57 255.51,95.54 255.45,95.51 255.39,95.49 255.32,95.47 255.25,95.45 255.17,95.43 255.09,95.42 255,95.41 254.9,95.41 254.8,95.4